# KiCad board NoU2-panelized.kicad_pcb (continued)
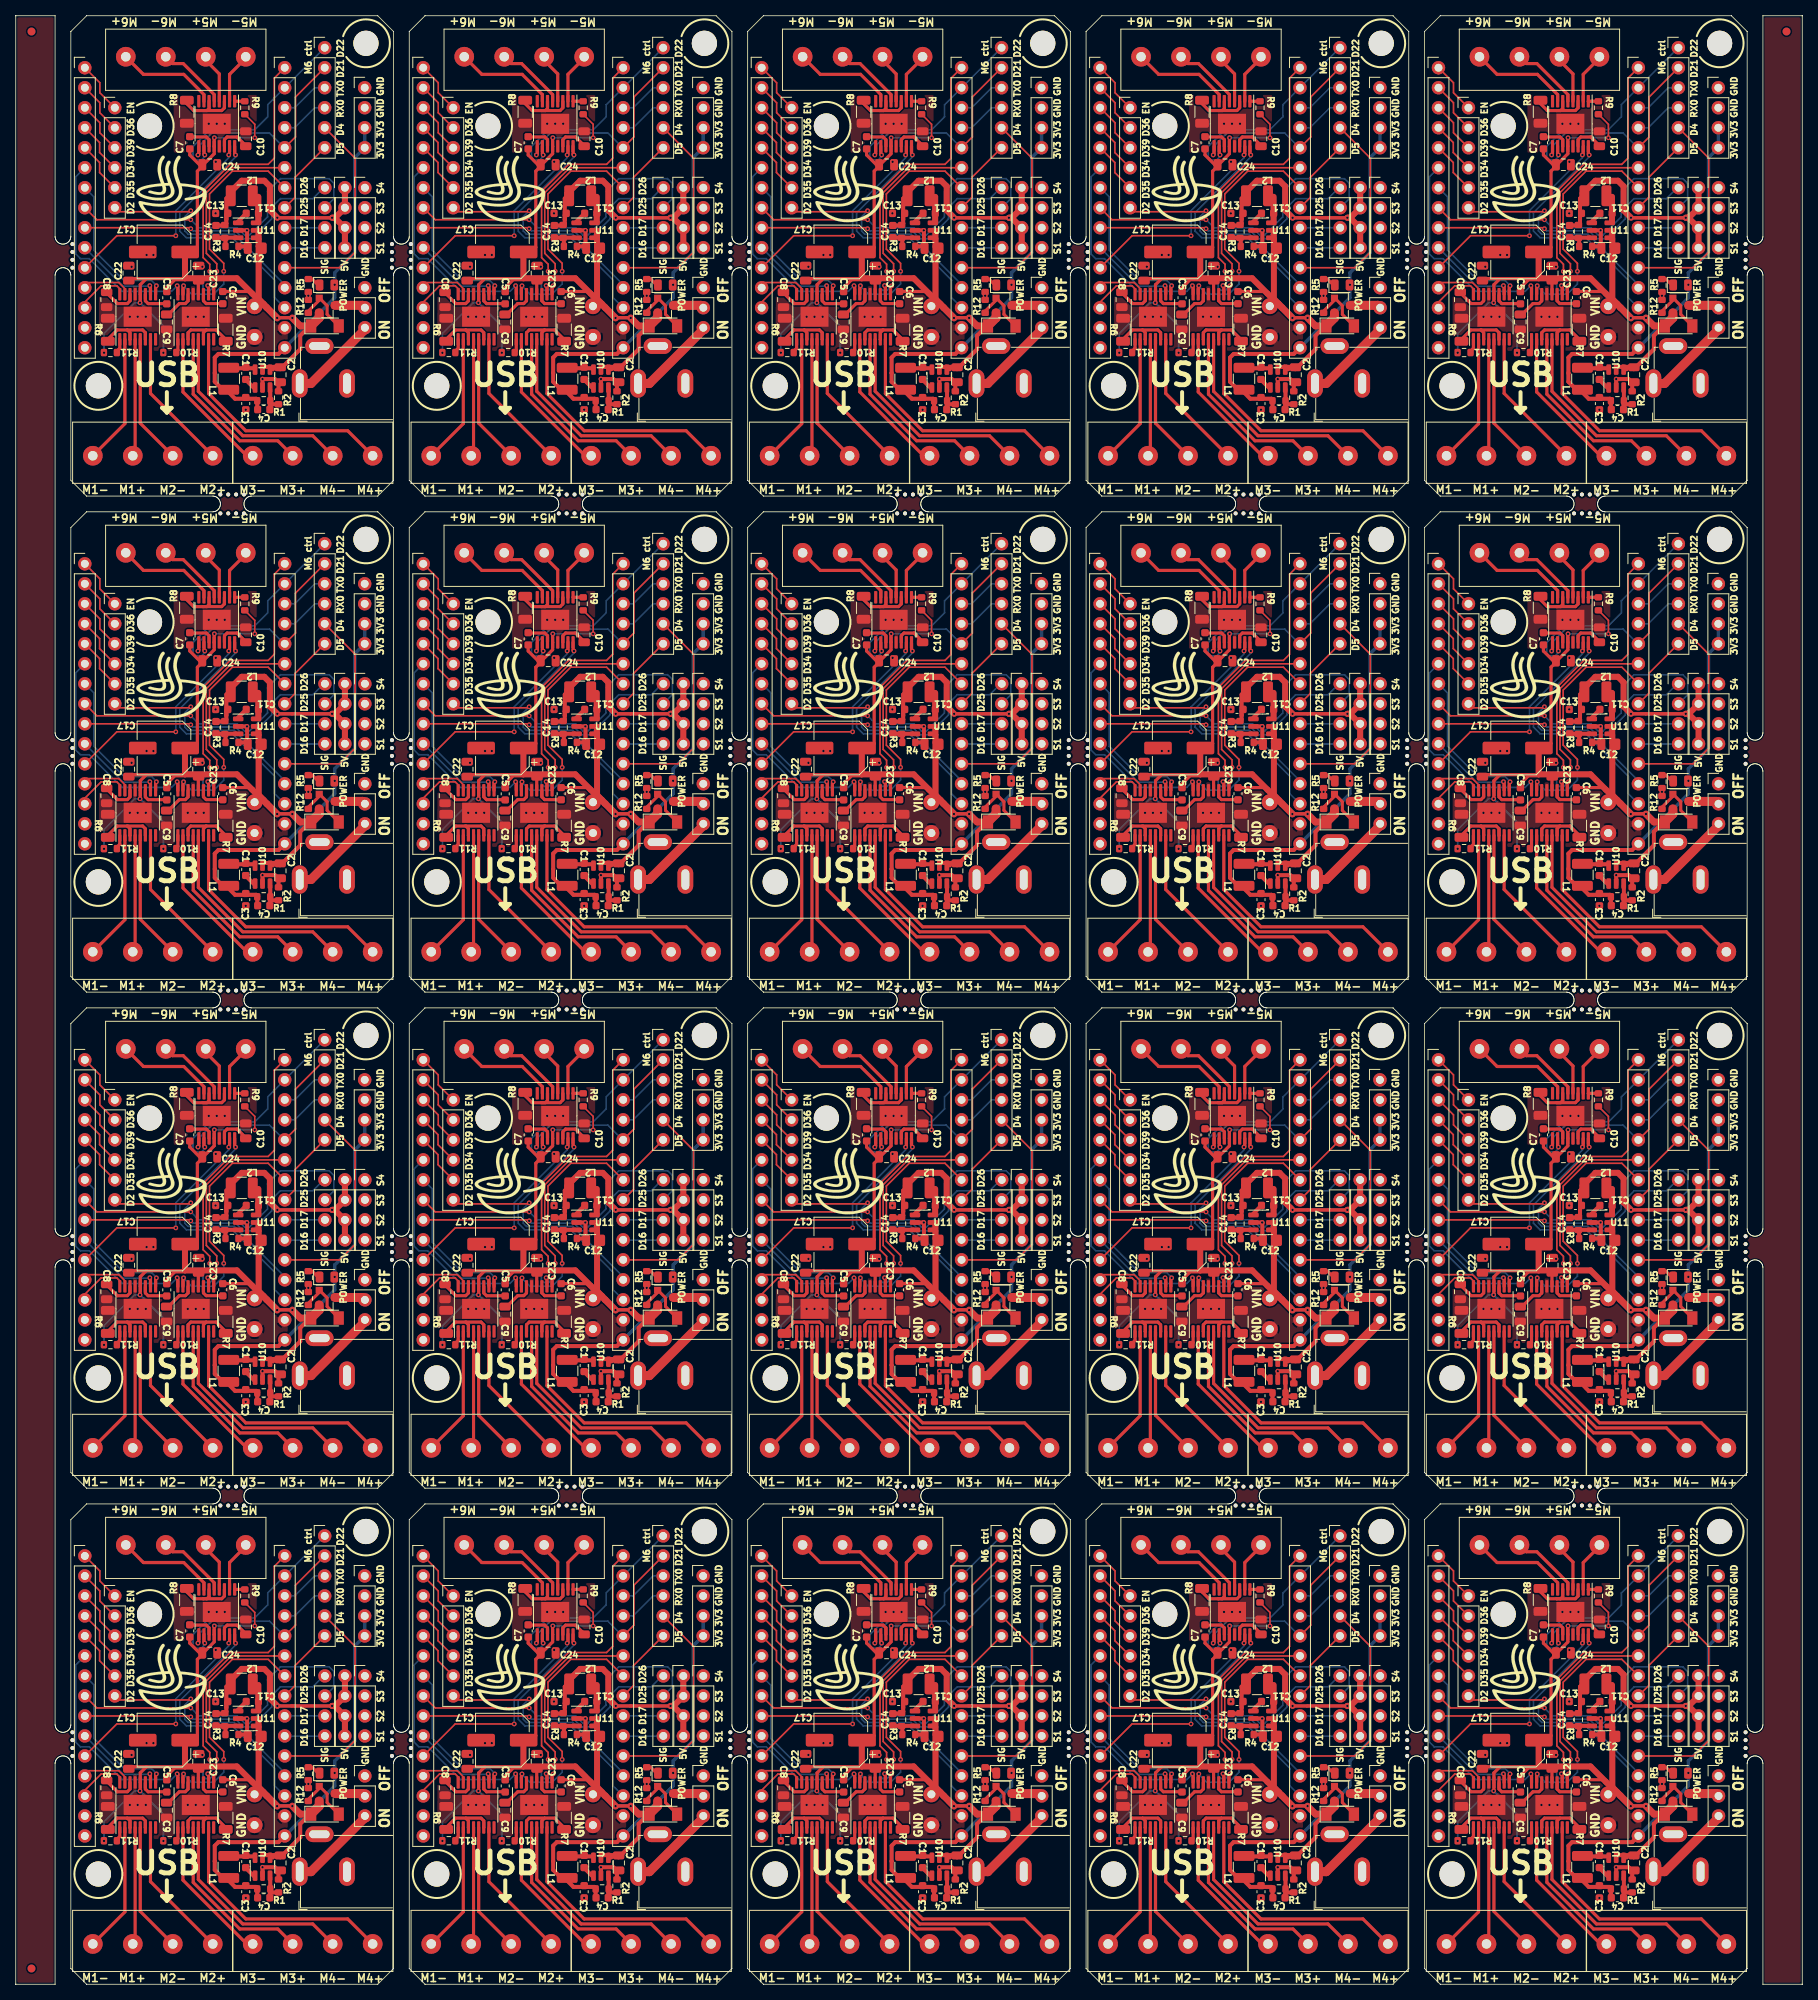
[diagram p0: board, top side]
## Routing (per net, layer and track width the routed paths; a pad name or vN(x,y) marks a point on that pad's centre or on a via; arc(x,y) is an arc through that point) (continued)
Board_13-Net-(C1-Pad1): length 3.3
  Top w0.508: 159.43,79.23 156.15,79.23
Board_13-Net-(C1-Pad2): length 1.7
  Top w0.508: 158.2,77.8 159.37,76.63 ; 158.33,77.81 158.33,77.78
Board_13-Net-(C4-Pad1): length 4.1
  Top w0.508: 161.29,75.06 R1#7.2 161.34,76.59 ; 161.29,75.06 161.29,74.84 161.46,74.66 R2#9.1 ; 161.29,75.06 C4#11.1 ; 161.41,75.06 161.46,75.1
Board_13-Net-(C5-Pad2): length 3.7
  Top w0.399: C5.2 148.16,87.44 145.82,87.44 145.47,87.79 U1#17.11
Board_13-Net-(C6-Pad2): length 3.4
  Top w0.399: U3#8.11 152.85,87.79 153.19,87.45 155.28,87.45 C6#5.2
Board_13-Net-(C7-Pad2): length 3.5
  Top w0.399: U2#3.11 153.57,108.27 153.22,108.61 151.15,108.61 C7#3.2
Board_13-Net-(C8-Pad1): length 4.6
  Top w0.399: C8#19.1 140.55,88.81 141.91,87.45 143.18,87.45 143.52,87.79 U1#17.14
Board_13-Net-(C9-Pad1): length 4.3
  Top w0.399: U3#8.14 150.9,87.79 150.56,87.45 149.78,87.45 148.4,86.06 C9#4.1
Board_13-Net-(C10-Pad1): length 4.2
  Top w0.399: C10#17.1 158.22,107.51 157.12,108.61 155.86,108.61 155.52,108.27 U2#3.14
Board_13-Net-(C11-Pad1): length 3.5
  Top w0.508: 159.7,100.99 159.65,101.04 ; 159.7,99.04 C11.1 159.68,98.75
  Top w0.762: 159.83,99.06 159.83,101 ; 159.83,97.81 159.83,98.86
Board_13-Net-(C11-Pad2): length 1.7
  Top w0.508: C11.2 157.08,97.7 157.06,97.7
Board_13-Net-(C14-Pad1): length 3.7
  Top w0.508: R3#9.2 155.65,95.69 R4#10.1 ; C14#11.1 157.04,95.82 157.06,95.8
Board_13-Net-(D1-Pad1): length 1.6
  Top w0.381: 166.35,90.56 166.67,90.56 167.42,89.81 D1#20.1
Board_13-Net-(D2-Pad2): length 7.2
  Top w0.381: D2#14.2 168.56,86.08 168.56,87.17 Q1#6.1 167.56,87.87 166.2,86.51 166.2,86.27
  Top w0.508: Q1#6.1 167.43,88.17
Board_13-Net-(J6-Pad1): length 16.5
  Top w0.399: J6#4.1 142.87,72.2 U1#17.2
Board_13-Net-(J6-Pad2): length 14.9
  Top w0.399: J6#4.2 144.17,68.42 U1#17.4
Board_13-Net-(J6-Pad3): length 16.5
  Top w0.399: J6#4.3 144.82,72.25 U1#17.5
Board_13-Net-(J6-Pad4): length 18.1
  Top w0.399: U1#17.7 146.12,76.03 J6#4.4
Board_13-Net-(J7-Pad1): length 18.9
  Top w0.399: J7#16.1 158.35,68.12 150.25,76.22 U3#8.2
Board_13-Net-(J7-Pad2): length 22.9
  Top w0.399: U3#8.4 151.55,75.94 157.47,70.02 162.29,70.02 J7#16.2
Board_13-Net-(J7-Pad3): length 27.1
  Top w0.399: J7#16.3 166.73,70.66 157.84,70.66 152.2,76.3 U3#8.5
Board_13-Net-(J7-Pad4): length 31
  Top w0.399: J7#16.4 171.18,71.29 158.22,71.29 153.5,76.02 U3#8.7
Board_13-Net-(J8-Pad1): length 6.5
  Top w0.399: U2#3.2 156.17,116.56 158.22,118.62 J8#11.1
Board_13-Net-(J8-Pad2): length 6.4
  Top w0.399: J8#11.2 153.15,118.34 154.87,116.61 U2#3.4
Board_13-Net-(J8-Pad3): length 9
  Top w0.399: J8#11.3 148.93,117.93 150.28,117.93 154.22,113.99 U2#3.5
Board_13-Net-(J8-Pad4): length 12.8
  Top w0.399: J8#11.4 145.22,116.56 150.35,116.56 152.92,113.99 U2#3.7
Board_13-Net-(J9-Pad1): length 11.3
  Top w1.143: J9#12.1 166.52,77.3 173.34,84.12 173.34,84.38
Board_13-Net-(Q1-Pad3): length 3.9
  Top w1.143: U8#13.2 173.06,87.22 Q1#6.3
Board_13-Net-(R6-Pad2): length 7.8
  Top w0.399: 143.18,84.1 141.89,84.1 140.7,82.91 R6#14.2 ; 143.18,84.1 143.52,83.75 U1#17.3 143.52,82.91 ; 143.18,84.1 145.13,84.1 145.47,83.75 U1#17.6 145.47,82.91
Board_13-Net-(R7-Pad2): length 7.8
  Top w0.399: 153.19,84.1 154.47,84.1 155.69,82.89 R7#14.2 ; 153.19,84.1 151.24,84.1 150.9,83.75 U3#8.3 150.9,82.91 ; 153.19,84.1 152.85,83.75 U3#8.6 152.84,82.9
Board_13-Net-(R8-Pad2): length 8.5
  Top w0.399: 152.79,111.96 153.3,111.96 153.57,112.23 U2#3.6 ; 152.79,111.96 151.61,111.96 150.73,112.84 150.73,113.4 ; 152.79,111.96 155.17,111.96 155.52,112.3 U2#3.3
Board_13-Net-(R9-Pad1): length 1.3
  Top w0.399: R9#15.1 156.82,113.14 U2#3.1
Board_13-Net-(R10-Pad1): length 1.7
  Top w0.399: U3#8.1 149.6,81.53 149.4,81.33
Board_13-Net-(R11-Pad1): length 1.8
  Top w0.399: 141.78,81.33 142.22,81.77 U1#17.1
Board_13-RX0: length 6.1
  Bottom w0.203: J1.4 166.99,112.32 164.45,109.78 J11#5.4
Board_13-TX0: length 6.1
  Bottom w0.203: J11#5.3 164.45,112.32 166.99,114.86 J1.3
Board_13-VIN: length 111
  Top w0.203: v1(159.37,108.51) 159.37,110.22 R9#15.2
  Top w0.25: J14#18.1 160.71,87.12 160.9,86.93
  Top w0.399: 149.16,90.42 148.19,89.46 C5.1 ; 158.01,111.4 R9#15.2 ; 159.04,88.72 158.78,88.98 C6#5.1 ; 150.49,90.47 149.31,90.47 ; C24#9.1 152.7,104.89 152.08,104.26 152.08,94.59 151.49,94 C17#4.1 ; C24#9.1 152.36,105.08 151.11,106.32 C7#3.1 ; C24#9.1 152.82,105.08 154.22,106.48 U2#3.12 154.21,107.43 154.21,108.51 ; 144.81,87.55 144.82,87.56 U1#17.12 144.82,89.84 145.6,90.62 150.54,90.62 ; 143.65,90.62 145.62,90.62 ; U3#8.12 152.2,90.35 152.21,90.36 ; C22#3.1 143.6,90.6
  Top w0.432: v1(164.14,85.62) 164.11,85.65 162.25,85.65 v1(162.21,85.62)
  Top w0.508: 159.86,93.72 159.86,93.95 C12#2.2 ; 162.6,79.11 162.77,79.28 162.78,79.28 165.15,81.65 165.15,83.37 166.38,84.6 D2#14.1 ; 162.52,79.41 161.61,79.41 ; 159.86,95.61 159.68,95.8 ; 160.65,79.4 161.27,79.4 ; 161.53,79.27 161.69,79.11
  Top w0.762: 150.57,90.66 157.1,90.66 159.66,88.1 159.74,88.1 ; 159.86,95.61 159.86,87.97 160.46,87.37 ; 150.5,90.66 150.5,93.97 C17#4.1 ; 159.85,95.7 159.85,96.65
  Top w0.864: v1(164.14,85.62) 165.16,84.6 D2#14.1 ; 159.74,88.1 v1(162.21,85.62)
  Top w1.143: Q1#6.2 167.56,85.63 D2#14.1
  Bottom w0.203: v1(144.79,87.55) 144.13,87.55 140.22,83.64 v1(140.22,81.2) ; 154.21,108.51 v1(159.37,108.51)
  Bottom w0.25: v1(144.79,87.55) 147.76,84.58 v1(147.76,81.2)
  Bottom w0.432: v1(162.21,85.62) 162.25,85.65 164.11,85.65 v1(164.14,85.62)
  vias: v1(154.24,108.51)
Board_14-3V3: length 53
  Top w0.508: 199.2,76.25 198.56,76.25 197.29,77.52 197.29,78.63 197.29,78.63 197.29,80.59 197.75,81.05 205.39,81.05 J11#16.15 ; 199.07,76.37 198.94,76.5 198.94,76.29 199.87,75.36 202.56,75.36 202.81,75.1 ; 202.81,74.04 202.86,73.99 ; R1#12.1 202.69,74.04
  Bottom w0.432: J11#16.15 212.53,88.19 v1(212.53,89.84) 212.53,91.36 215.09,93.92 215.09,105.99 J3#16.4 J3#16.3
Board_14-5V: length 40.3
  Top w0.432: v1(212.2,98.35) v1(205.24,98.35)
  Top w0.508: 198.76,98.14 198.76,100.79 199.11,101.14 ; 198.76,98.14 198.76,98.69 198.98,98.9 198.98,99.1 ; 198.76,98.14 198.76,97.63 R3#20.1 198.5,97.37 C14#12.2
  Top w0.762: v1(205.24,98.35) 204.3,99.29 204.3,102.33 203.59,103.05 201.58,103.05 201.57,103.04 200.72,103.04 199.11,101.43 199.11,101.14 ; J12#15.1 213.82,99.59 212.58,98.35 v1(212.2,98.35) 212.53,98.35 213.82,97.05 213.82,94.51
  Bottom w0.432: v1(205.24,98.35) v1(212.2,98.35)
Board_14-/Sheet6057E9B8/D16: length 5.1
  Top w0.203: 206.21,94.51 J11#16.10
  Bottom w0.203: 211.28,94.51 206.21,94.51
Board_14-/Sheet6057E9B8/D17: length 5.1
  Top w0.203: 211.25,97.08 211.28,97.05
  Bottom w0.203: J11#16.9 211.25,97.08
Board_14-/Sheet6057E9B8/D34: length 6.7
  Top w0.203: 184.59,104.7 182.66,106.63 182.66,107.9 J10#2.4
Board_14-/Sheet6057E9B8/D35: length 6.7
  Top w0.203: 184.59,102.16 182.66,104.09 182.66,105.36 J10#2.5
Board_14-/Sheet6057E9B8/D36: length 6.7
  Top w0.203: J10#2.2 182.68,112.95 182.68,111.68 184.59,109.78
Board_14-/Sheet6057E9B8/D39: length 6.7
  Top w0.203: 184.59,107.24 182.68,109.14 182.68,110.41 J10#2.3
Board_14-/Sheet6057E9B8/EN: length 7.3
  Top w0.203: J10#2.1 182.68,115.49 182.68,114.22 184.59,112.32
  Top w0.399: 180.78,116.76 J10#2.1
Board_14-D2: length 28.7
  Top w0.203: v1(194.24,99.24) 194.11,99.11 185.1,99.11 J4#12.6
  Bottom w0.203: v1(194.24,99.24) 193.48,98.47 193.48,96.67 193.9,96.25 199.77,96.25 206.18,89.84 J11#16.12
Board_14-D4: length 27.2
  Top w0.203: J11#16.11 213.14,92 215.12,93.98 215.12,105.92 J1#9.5
Board_14-D5: length 9.7
  Top w0.203: J11#16.8 207.5,100.94 207.5,103.48 J1#9.6
Board_14-D25: length 41.8
  Top w0.203: v1(194.24,98.09) 182.3,98.09 J10#2.8
  Bottom w0.203: J2#2.2 212.44,100.77 212.44,102.71 211.83,103.31 205.63,103.31 204,101.68 204,98.46 201.68,96.14 201.08,96.14 200.15,97.08 195.26,97.08 v1(194.24,98.09)
Board_14-D26: length 34.6
  Top w0.203: J10#2.9 194.15,97.08 v1(194.24,96.95)
  Bottom w0.203: v1(194.24,96.95) 194.52,96.67 199.91,96.67 200.91,95.68 201.99,95.68 204.53,98.22 204.53,99.67 205.63,100.77 209.75,100.77 211.13,102.16 J2#2.1
Board_14-GND: length 10.3
  Top w0.508: R12#9.2 R5#14.1 209.15,88.88 ; 200.06,96.75 v1(201.38,96.75) 201.4,96.72 201.4,94.8 201.31,94.71 R4#11.2 ; 201.32,73.98 201.32,73.98 ; 205.39,76.31 205.39,77.24 205.61,77.46 205.33,77.46 204.93,77.86 v1(203.36,77.86) 203.36,76.61
  vias: v1(186.49,85.77) v1(186.72,92.12) v1(187.5,85.77) v1(188.53,85.77) v1(188.63,93.62) v1(189.49,93.62) v1(193.86,85.77) v1(194.88,85.77) v1(195.71,92.12) v1(195.89,85.77) v1(196.53,110.28) v1(197.41,105.46) v1(197.39,98.9) v1(197.54,110.28) v1(198.56,110.28) v1(201.22,73.96) v1(209.18,88.44)
Board_14-M1A: length 6.9
  Top w0.203: U1#8.16 185.22,89.33 184.85,89.7 182.85,89.7 180.78,87.63 J10#2.13
Board_14-M1B: length 6.8
  Top w0.203: U1#8.15 185.87,89.34 185.1,90.12 180.78,90.12 J10#2.12
Board_14-M2A: length 11.3
  Top w0.399: 189.03,89.66 189.12,89.57 U1#8.10
  Bottom w0.203: J10#2.10 185.65,89.66 189.03,89.66
  vias: v1(189.03,89.72)
Board_14-M2B: length 19.4
  Top w0.399: U1#8.9 189.77,89.56 189.87,89.66
  Bottom w0.203: 189.87,89.72 189.87,89.66 v1(189.87,89.71) 189.87,89.76 189.26,90.37 185.78,90.37 181.93,94.22 181.93,101 J10#2.7
Board_14-M3A: length 27.6
  Top w0.399: U3#17.16 192.6,89.57 192.51,89.66
  Bottom w0.203: J10#2.6 179.63,103.54 179.63,93.75 180.23,93.15 181.35,93.15 185.5,89 191.79,89 v1(192.51,89.72)
Board_14-M3B: length 30.9
  Top w0.203: 193.25,89.58 193.33,89.66 ; v1(198.43,91.54) 198.43,92.55 196.62,94.36 196.62,101.36 199.52,104.26 204.07,104.26 J11#16.7
  Top w0.399: U3#17.15 193.25,89.58
  Bottom w0.203: 193.33,89.66 194.34,88.65 197.15,88.65 198.43,89.93 v1(198.43,91.54)
  vias: v1(193.33,89.71)
Board_14-M4A: length 25.2
  Top w0.203: J11#16.6 199.39,104.7 196.22,101.53 196.22,93.83 197.54,92.5 v1(197.54,91.54)
  Top w0.399: 196.4,89.66 196.5,89.56 U3#17.10
  Bottom w0.203: v1(197.54,91.54) 197.54,90.82 196.4,89.67 196.4,89.66
  vias: v1(196.4,89.74)
Board_14-M4B: length 38.7
  Top w0.203: J11#16.1 204.86,116.08 204.86,105.92 204.07,105.13 199.24,105.13 195.81,101.7 195.81,93.28 196.65,92.44 v1(196.65,91.54)
  Top w0.399: U3#17.9 197.15,89.55 197.26,89.66
  Bottom w0.203: v1(196.65,91.54) 196.65,90.98 195.79,90.12 195.79,89.44 196.11,89.13 196.71,89.13 v1(197.29,89.71)
Board_14-M5A: length 32.5
  Top w0.399: U2#9.16 199.82,106.43 v1(199.93,106.32) 199.93,106.37
  Bottom w0.203: J11#16.13 206.17,86.92 204.91,88.19 204.91,90.41 199.51,95.81 193.69,95.81 192.84,96.65 192.84,98.98 199.93,106.07 v1(199.93,106.32)
Board_14-M5B: length 27.4
  Top w0.203: v1(192.34,96.06) 184.84,96.06 J10#2.11
  Top w0.399: U2#9.15 199.17,106.47 199.07,106.37
  Bottom w0.203: v1(192.34,96.06) 192.34,99.24 199.07,105.97 199.07,106.37
  vias: v1(199.07,106.32)
Board_14-M6A: length 27.3
  Top w0.203: 211.25,119.94 J1#9.1
  Top w0.399: U2#9.10 195.92,106.47 196.02,106.37
  Bottom w0.203: 211.25,119.94 J11#16.2 204.02,112.7 204.02,111.17 202.37,109.52 196.65,109.52 194.52,107.39 194.52,106.02 194.85,105.69 195.59,105.69 196.02,106.12 v1(196.02,106.32)
Board_14-M6B: length 26.9
  Top w0.203: J1#9.2 207.55,113.69 207.55,108.61 J11#16.5
  Top w0.399: U2#9.9 195.27,106.49 195.15,106.37
  Bottom w0.203: 195.15,106.37 195.27,106.49 195.27,107.46 196.92,109.11 204.24,109.11 206.11,107.24 J11#16.5
  vias: v1(195.15,106.32)
Board_14-Net-(C1-Pad1): length 3.3
  Top w0.508: 202.43,79.23 199.15,79.23
Board_14-Net-(C1-Pad2): length 1.7
  Top w0.508: 201.33,77.81 201.33,77.78 ; 201.2,77.8 202.37,76.63
Board_14-Net-(C4-Pad1): length 4.1
  Top w0.508: R2#15.1 204.46,74.66 204.29,74.84 204.29,75.06 ; 204.34,76.59 R1#12.2 204.29,75.06 ; 204.29,75.06 C4.1 ; 204.41,75.06 204.46,75.1
Board_14-Net-(C5-Pad2): length 3.7
  Top w0.399: U1#8.11 188.47,87.79 188.82,87.44 191.16,87.44 C5#17.2
Board_14-Net-(C6-Pad2): length 3.4
  Top w0.399: C6#2.2 198.28,87.45 196.19,87.45 195.85,87.79 U3#17.11
Board_14-Net-(C7-Pad2): length 3.5
  Top w0.399: U2#9.11 196.57,108.27 196.22,108.61 194.15,108.61 C7#8.2
Board_14-Net-(C8-Pad1): length 4.6
  Top w0.399: C8#3.1 183.55,88.81 184.91,87.45 186.18,87.45 186.52,87.79 U1#8.14
Board_14-Net-(C9-Pad1): length 4.3
  Top w0.399: C9#20.1 191.4,86.06 192.78,87.45 193.56,87.45 193.9,87.79 U3#17.14
Board_14-Net-(C10-Pad1): length 4.2
  Top w0.399: C10#12.1 201.22,107.51 200.12,108.61 198.86,108.61 198.52,108.27 U2#9.14
Board_14-Net-(C11-Pad1): length 3.5
  Top w0.508: 202.7,100.99 202.65,101.04 ; 202.68,98.75 C11#6.1 202.7,99.04
  Top w0.762: 202.83,97.81 202.83,98.86 ; 202.83,99.06 202.83,101
Board_14-Net-(C11-Pad2): length 1.7
  Top w0.508: 200.06,97.7 200.08,97.7 C11#6.2
Board_14-Net-(C14-Pad1): length 3.7
  Top w0.508: 200.06,95.8 200.04,95.82 C14#12.1 ; R3#20.2 198.65,95.69 R4#11.1
Board_14-Net-(D1-Pad1): length 1.6
  Top w0.381: 209.35,90.56 209.67,90.56 210.42,89.81 D1#19.1
Board_14-Net-(D2-Pad2): length 7.2
  Top w0.381: D2#7.2 211.56,86.08 211.56,87.17 Q1#8.1 210.56,87.87 209.2,86.51 209.2,86.27
  Top w0.508: Q1#8.1 210.43,88.17
Board_14-Net-(J6-Pad1): length 16.5
  Top w0.399: U1#8.2 185.87,72.2 J6#3.1
Board_14-Net-(J6-Pad2): length 14.9
  Top w0.399: U1#8.4 187.17,68.42 J6#3.2
Board_14-Net-(J6-Pad3): length 16.5
  Top w0.399: J6#3.3 187.82,72.25 U1#8.5
Board_14-Net-(J6-Pad4): length 18.1
  Top w0.399: J6#3.4 189.12,76.03 U1#8.7
Board_14-Net-(J7-Pad1): length 18.9
  Top w0.399: U3#17.2 193.25,76.22 201.35,68.12 J7#14.1
Board_14-Net-(J7-Pad2): length 22.9
  Top w0.399: J7#14.2 205.29,70.02 200.47,70.02 194.55,75.94 U3#17.4
Board_14-Net-(J7-Pad3): length 27.1
  Top w0.399: U3#17.5 195.2,76.3 200.84,70.66 209.73,70.66 J7#14.3
Board_14-Net-(J7-Pad4): length 31
  Top w0.399: J7#14.4 214.18,71.29 201.22,71.29 196.5,76.02 U3#17.7
Board_14-Net-(J8-Pad1): length 6.5
  Top w0.399: U2#9.2 199.17,116.56 201.22,118.62 J8#13.1
Board_14-Net-(J8-Pad2): length 6.4
  Top w0.399: J8#13.2 196.15,118.34 197.87,116.61 U2#9.4
Board_14-Net-(J8-Pad3): length 9
  Top w0.399: U2#9.5 197.22,113.99 193.28,117.93 191.93,117.93 J8#13.3
Board_14-Net-(J8-Pad4): length 12.8
  Top w0.399: U2#9.7 195.92,113.99 193.35,116.56 188.22,116.56 J8#13.4
Board_14-Net-(J9-Pad1): length 11.3
  Top w1.143: J9#13.1 209.52,77.3 216.34,84.12 216.34,84.38
Board_14-Net-(Q1-Pad3): length 3.9
  Top w1.143: Q1#8.3 216.06,87.22 U8#5.2
Board_14-Net-(R6-Pad2): length 7.8
  Top w0.399: R6#20.2 183.7,82.91 184.89,84.1 186.18,84.1 ; 188.47,82.91 U1#8.6 188.47,83.75 188.13,84.1 186.18,84.1 ; 186.18,84.1 186.52,83.75 U1#8.3 186.52,82.91
Board_14-Net-(R7-Pad2): length 7.8
  Top w0.399: 193.9,82.91 U3#17.3 193.9,83.75 194.24,84.1 196.19,84.1 ; 196.19,84.1 195.85,83.75 U3#17.6 195.84,82.9 ; 196.19,84.1 197.47,84.1 198.69,82.89 R7#13.2
Board_14-Net-(R8-Pad2): length 8.5
  Top w0.399: 195.79,111.96 196.3,111.96 196.57,112.23 U2#9.6 ; 195.79,111.96 194.61,111.96 193.73,112.84 193.73,113.4 ; 195.79,111.96 198.17,111.96 198.52,112.3 U2#9.3
Board_14-Net-(R9-Pad1): length 1.3
  Top w0.399: U2#9.1 199.82,113.14 R9#20.1
Board_14-Net-(R10-Pad1): length 1.7
  Top w0.399: U3#17.1 192.6,81.53 192.4,81.33
Board_14-Net-(R11-Pad1): length 1.8
  Top w0.399: U1#8.1 185.22,81.77 184.78,81.33
Board_14-RX0: length 6.1
  Bottom w0.203: J11#16.4 207.45,109.78 209.99,112.32 J1#9.4
Board_14-TX0: length 6.1
  Bottom w0.203: J11#16.3 207.45,112.32 209.99,114.86 J1#9.3
Board_14-VIN: length 111
  Top w0.203: v1(202.37,108.51) 202.37,110.22 R9#20.2
  Top w0.25: J14#5.1 203.71,87.12 203.9,86.93
  Top w0.399: 186.65,90.62 188.62,90.62 ; 202.04,88.72 201.78,88.98 C6#2.1 ; C24#7.1 195.36,105.08 194.11,106.32 C7#8.1 ; C24#7.1 195.7,104.89 195.08,104.26 195.08,94.59 194.49,94 C17#20.1 ; C24#7.1 195.82,105.08 197.22,106.48 U2#9.12 197.21,107.43 197.21,108.51 ; 193.49,90.47 192.31,90.47 ; 187.81,87.55 187.82,87.56 U1#8.12 187.82,89.84 188.6,90.62 193.54,90.62 ; 192.16,90.42 191.19,89.46 C5#17.1 ; U3#17.12 195.2,90.35 195.21,90.36 ; C22#15.1 186.6,90.6 ; 201.01,111.4 R9#20.2
  Top w0.432: v1(205.21,85.62) 205.25,85.65 207.11,85.65 v1(207.14,85.62)
  Top w0.508: 202.86,95.61 202.68,95.8 ; C12#19.2 202.86,93.95 202.86,93.72 ; D2#7.1 209.38,84.6 208.15,83.37 208.15,81.65 205.78,79.28 205.77,79.28 205.6,79.11 ; 205.52,79.41 204.61,79.41 ; 203.65,79.4 204.27,79.4 ; 204.53,79.27 204.69,79.11
  Top w0.762: 202.74,88.1 202.66,88.1 200.1,90.66 193.57,90.66 ; 202.86,95.61 202.86,87.97 203.46,87.37 ; 193.5,90.66 193.5,93.97 C17#20.1 ; 202.85,95.7 202.85,96.65
  Top w0.864: v1(205.21,85.62) 202.74,88.1 ; D2#7.1 208.16,84.6 v1(207.14,85.62)
  Top w1.143: Q1#8.2 210.56,85.63 D2#7.1
  Bottom w0.203: v1(187.79,87.55) 187.13,87.55 183.22,83.64 v1(183.22,81.2) ; 197.21,108.51 v1(202.37,108.51)
  Bottom w0.25: v1(187.79,87.55) 190.76,84.58 v1(190.76,81.2)
  Bottom w0.432: v1(207.14,85.62) 207.11,85.65 205.25,85.65 v1(205.21,85.62)
  vias: v1(197.24,108.51)
Board_15-3V3: length 53
  Top w0.508: J11#10.15 33.39,18.05 25.75,18.05 25.29,17.59 25.29,15.63 25.29,15.63 25.29,14.52 26.56,13.25 27.2,13.25 ; 30.81,11.04 30.86,10.99 ; R1#10.1 30.69,11.04 ; 30.81,12.1 30.56,12.36 27.87,12.36 26.94,13.29 26.94,13.5 27.07,13.37
  Bottom w0.432: J3#8.3 J3#8.4 43.09,42.99 43.09,30.92 40.53,28.36 v1(40.53,26.84) 40.53,25.19 J11#10.15
Board_15-5V: length 40.3
  Top w0.432: v1(40.2,35.35) v1(33.24,35.35)
  Top w0.508: 26.76,35.14 26.76,37.79 27.11,38.14 ; 26.76,35.14 26.76,34.63 R3#16.1 26.5,34.37 C14#5.2 ; 26.76,35.14 26.76,35.69 26.98,35.9 26.98,36.1
  Top w0.762: J12#14.1 41.82,36.59 40.58,35.35 v1(40.2,35.35) 40.53,35.35 41.82,34.05 41.82,31.51 ; 27.11,38.14 27.11,38.43 28.72,40.04 29.57,40.04 29.58,40.05 31.59,40.05 32.3,39.33 32.3,36.29 v1(33.24,35.35)
  Bottom w0.432: v1(33.24,35.35) v1(40.2,35.35)
Board_15-/Sheet6057E9B8/D16: length 5.1
  Top w0.203: 34.21,31.51 J11#10.10
  Bottom w0.203: 39.28,31.51 34.21,31.51
Board_15-/Sheet6057E9B8/D17: length 5.1
  Top w0.203: 39.25,34.08 39.28,34.05
  Bottom w0.203: J11#10.9 39.25,34.08
Board_15-/Sheet6057E9B8/D34: length 6.7
  Top w0.203: 12.59,41.7 10.66,43.63 10.66,44.9 J10#13.4
Board_15-/Sheet6057E9B8/D35: length 6.7
  Top w0.203: J10#13.5 10.66,42.36 10.66,41.09 12.59,39.16
Board_15-/Sheet6057E9B8/D36: length 6.7
  Top w0.203: 12.59,46.78 10.68,48.68 10.68,49.95 J10#13.2
Board_15-/Sheet6057E9B8/D39: length 6.7
  Top w0.203: J10#13.3 10.68,47.41 10.68,46.14 12.59,44.24
Board_15-/Sheet6057E9B8/EN: length 7.3
  Top w0.203: 12.59,49.32 10.68,51.22 10.68,52.49 J10#13.1
  Top w0.399: 8.78,53.76 J10#13.1
Board_15-D2: length 28.7
  Top w0.203: J4#14.6 13.1,36.11 22.11,36.11 v1(22.24,36.24)
  Bottom w0.203: v1(22.24,36.24) 21.48,35.47 21.48,33.67 21.9,33.25 27.77,33.25 34.18,26.84 J11#10.12
Board_15-D4: length 27.2
  Top w0.203: J1#8.5 43.12,42.92 43.12,30.98 41.14,29 J11#10.11
Board_15-D5: length 9.7
  Top w0.203: J1#8.6 35.5,40.48 35.5,37.94 J11#10.8
Board_15-D25: length 41.8
  Top w0.203: J10#13.8 10.3,35.09 v1(22.24,35.09)
  Bottom w0.203: J2.2 40.44,37.77 40.44,39.71 39.83,40.31 33.63,40.31 32,38.68 32,35.46 29.68,33.14 29.08,33.14 28.15,34.08 23.26,34.08 v1(22.24,35.09)
Board_15-D26: length 34.6
  Top w0.203: v1(22.24,33.95) 22.15,34.08 J10#13.9
  Bottom w0.203: v1(22.24,33.95) 22.52,33.67 27.91,33.67 28.91,32.68 29.99,32.68 32.53,35.22 32.53,36.67 33.63,37.77 37.75,37.77 39.13,39.16 J2.1
Board_15-GND: length 10.3
  Top w0.508: 31.36,13.61 v1(31.36,14.86) 32.93,14.86 33.33,14.46 33.61,14.46 33.39,14.24 33.39,13.31 ; R4.2 29.31,31.71 29.4,31.8 29.4,33.72 v1(29.38,33.75) 28.06,33.75 ; R12#14.2 R5.1 37.15,25.88 ; 29.32,10.98 29.32,10.98
  vias: v1(14.49,22.77) v1(14.72,29.12) v1(15.5,22.77) v1(16.52,22.77) v1(16.63,30.62) v1(17.49,30.62) v1(21.86,22.77) v1(22.88,22.77) v1(23.71,29.12) v1(23.89,22.77) v1(24.53,47.28) v1(25.41,42.46) v1(25.39,35.9) v1(25.54,47.28) v1(26.56,47.28) v1(29.23,10.96) v1(37.18,25.44)
Board_15-M1A: length 6.9
  Top w0.203: J10#13.13 8.78,24.63 10.85,26.7 12.85,26.7 13.22,26.33 U1#5.16
Board_15-M1B: length 6.8
  Top w0.203: J10#13.12 8.78,27.12 13.1,27.12 13.87,26.34 U1#5.15
Board_15-M2A: length 11.3
  Top w0.399: U1#5.10 17.12,26.57 17.03,26.66
  Bottom w0.203: 17.03,26.66 13.65,26.66 J10#13.10
  vias: v1(17.03,26.72)
Board_15-M2B: length 19.4
  Top w0.399: U1#5.9 17.77,26.56 17.87,26.66
  Bottom w0.203: 17.87,26.72 17.87,26.66 v1(17.87,26.71) 17.87,26.76 17.26,27.37 13.78,27.37 9.93,31.22 9.93,38 J10#13.7
Board_15-M3A: length 27.6
  Top w0.399: 20.51,26.66 20.6,26.57 U3.16
  Bottom w0.203: J10#13.6 7.63,40.54 7.63,30.75 8.23,30.15 9.35,30.15 13.5,26 19.79,26 v1(20.51,26.72)
Board_15-M3B: length 30.9
  Top w0.203: 21.25,26.58 21.33,26.66 ; v1(26.43,28.54) 26.43,29.55 24.62,31.36 24.62,38.36 27.52,41.26 32.07,41.26 J11#10.7
  Top w0.399: U3.15 21.25,26.58
  Bottom w0.203: v1(26.43,28.54) 26.43,26.93 25.15,25.65 22.34,25.65 21.33,26.66
  vias: v1(21.33,26.71)
Board_15-M4A: length 25.2
  Top w0.203: J11#10.6 27.39,41.7 24.22,38.53 24.22,30.83 25.54,29.5 v1(25.54,28.54)
  Top w0.399: U3.10 24.5,26.56 24.4,26.66
  Bottom w0.203: 24.4,26.66 24.4,26.67 25.54,27.82 v1(25.54,28.54)
  vias: v1(24.4,26.74)
Board_15-M4B: length 38.7
  Top w0.203: v1(24.65,28.54) 24.65,29.44 23.81,30.28 23.81,38.7 27.24,42.13 32.07,42.13 32.86,42.92 32.86,53.08 J11#10.1
  Top w0.399: 25.26,26.66 25.15,26.55 U3.9
  Bottom w0.203: v1(25.29,26.71) 24.71,26.13 24.11,26.13 23.79,26.44 23.79,27.12 24.65,27.98 v1(24.65,28.54)
Board_15-M5A: length 32.5
  Top w0.399: U2#17.16 27.82,43.43 v1(27.93,43.32) 27.93,43.37
  Bottom w0.203: v1(27.93,43.32) 27.93,43.07 20.84,35.98 20.84,33.65 21.69,32.81 27.51,32.81 32.91,27.41 32.91,25.19 34.17,23.92 J11#10.13
Board_15-M5B: length 27.4
  Top w0.203: J10#13.11 12.84,33.06 v1(20.34,33.06)
  Top w0.399: 27.07,43.37 27.17,43.47 U2#17.15
  Bottom w0.203: 27.07,43.37 27.07,42.97 20.34,36.24 v1(20.34,33.06)
  vias: v1(27.07,43.32)
Board_15-M6A: length 27.3
  Top w0.203: 39.25,56.94 J1#8.1
  Top w0.399: U2#17.10 23.92,43.47 24.02,43.37
  Bottom w0.203: v1(24.02,43.32) 24.02,43.12 23.59,42.69 22.85,42.69 22.52,43.02 22.52,44.39 24.65,46.52 30.37,46.52 32.02,48.17 32.02,49.7 J11#10.2 39.25,56.94
Board_15-M6B: length 26.9
  Top w0.203: J11#10.5 35.55,45.61 35.55,50.69 J1#8.2
  Top w0.399: U2#17.9 23.27,43.49 23.15,43.37
  Bottom w0.203: 23.15,43.37 23.27,43.49 23.27,44.46 24.92,46.11 32.24,46.11 34.11,44.24 J11#10.5
  vias: v1(23.15,43.32)
Board_15-Net-(C1-Pad1): length 3.3
  Top w0.508: 30.43,16.23 27.15,16.23
Board_15-Net-(C1-Pad2): length 1.7
  Top w0.508: 29.33,14.81 29.33,14.78 ; 29.2,14.8 30.37,13.63
Board_15-Net-(C4-Pad1): length 4.1
  Top w0.508: 32.41,12.06 32.46,12.1 ; 32.34,13.59 R1#10.2 32.29,12.06 ; R2#6.1 32.46,11.66 32.29,11.84 32.29,12.06 ; C4#10.1 32.29,12.06
Board_15-Net-(C5-Pad2): length 3.7
  Top w0.399: C5#13.2 19.16,24.44 16.82,24.44 16.47,24.79 U1#5.11
Board_15-Net-(C6-Pad2): length 3.4
  Top w0.399: C6#19.2 26.28,24.45 24.19,24.45 23.85,24.79 U3.11
Board_15-Net-(C7-Pad2): length 3.5
  Top w0.399: U2#17.11 24.57,45.27 24.22,45.61 22.15,45.61 C7#7.2
Board_15-Net-(C8-Pad1): length 4.6
  Top w0.399: U1#5.14 14.52,24.79 14.18,24.45 12.91,24.45 11.55,25.81 C8#11.1
Board_15-Net-(C9-Pad1): length 4.3
  Top w0.399: C9#5.1 19.4,23.06 20.78,24.45 21.56,24.45 21.9,24.79 U3.14
Board_15-Net-(C10-Pad1): length 4.2
  Top w0.399: C10#11.1 29.23,44.51 28.12,45.61 26.86,45.61 26.52,45.27 U2#17.14
Board_15-Net-(C11-Pad1): length 3.5
  Top w0.508: 30.7,37.99 30.65,38.04 ; 30.68,35.75 C11#7.1 30.7,36.04
  Top w0.762: 30.83,36.06 30.83,38 ; 30.83,34.81 30.83,35.86
Board_15-Net-(C11-Pad2): length 1.7
  Top w0.508: 28.06,34.7 28.08,34.7 C11#7.2
Board_15-Net-(C14-Pad1): length 3.7
  Top w0.508: C14#5.1 28.04,32.82 28.06,32.8 ; R4.1 26.65,32.69 R3#16.2
Board_15-Net-(D1-Pad1): length 1.6
  Top w0.381: 37.35,27.56 37.67,27.56 38.42,26.81 D1#13.1
Board_15-Net-(D2-Pad2): length 7.2
  Top w0.381: D2#6.2 39.56,23.08 39.56,24.17 Q1#17.1 38.56,24.87 37.2,23.51 37.2,23.27
  Top w0.508: Q1#17.1 38.43,25.17
Board_15-Net-(J6-Pad1): length 16.5
  Top w0.399: U1#5.2 13.87,9.2 J6#13.1
Board_15-Net-(J6-Pad2): length 14.9
  Top w0.399: J6#13.2 15.17,5.42 U1#5.4
Board_15-Net-(J6-Pad3): length 16.5
  Top w0.399: U1#5.5 15.82,9.25 J6#13.3
Board_15-Net-(J6-Pad4): length 18.1
  Top w0.399: J6#13.4 17.12,13.03 U1#5.7
Board_15-Net-(J7-Pad1): length 18.9
  Top w0.399: U3.2 21.25,13.22 29.35,5.12 J7.1
Board_15-Net-(J7-Pad2): length 22.9
  Top w0.399: J7.2 33.29,7.02 28.47,7.02 22.55,12.94 U3.4
Board_15-Net-(J7-Pad3): length 27.1
  Top w0.399: J7.3 37.73,7.66 28.84,7.66 23.2,13.3 U3.5
Board_15-Net-(J7-Pad4): length 31
  Top w0.399: J7.4 42.18,8.3 29.23,8.3 24.5,13.02 U3.7
Board_15-Net-(J8-Pad1): length 6.5
  Top w0.399: J8#5.1 29.23,55.62 27.17,53.56 U2#17.2
Board_15-Net-(J8-Pad2): length 6.4
  Top w0.399: J8#5.2 24.15,55.34 25.87,53.61 U2#17.4
Board_15-Net-(J8-Pad3): length 9
  Top w0.399: U2#17.5 25.22,50.99 21.28,54.93 19.93,54.93 J8#5.3
Board_15-Net-(J8-Pad4): length 12.8
  Top w0.399: J8#5.4 16.22,53.56 21.35,53.56 23.92,50.99 U2#17.7
Board_15-Net-(J9-Pad1): length 11.3
  Top w1.143: 44.34,21.38 44.34,21.12 37.52,14.3 J9#19.1